# Allegro board pc051c_toplevel_209edited.brd (continued)
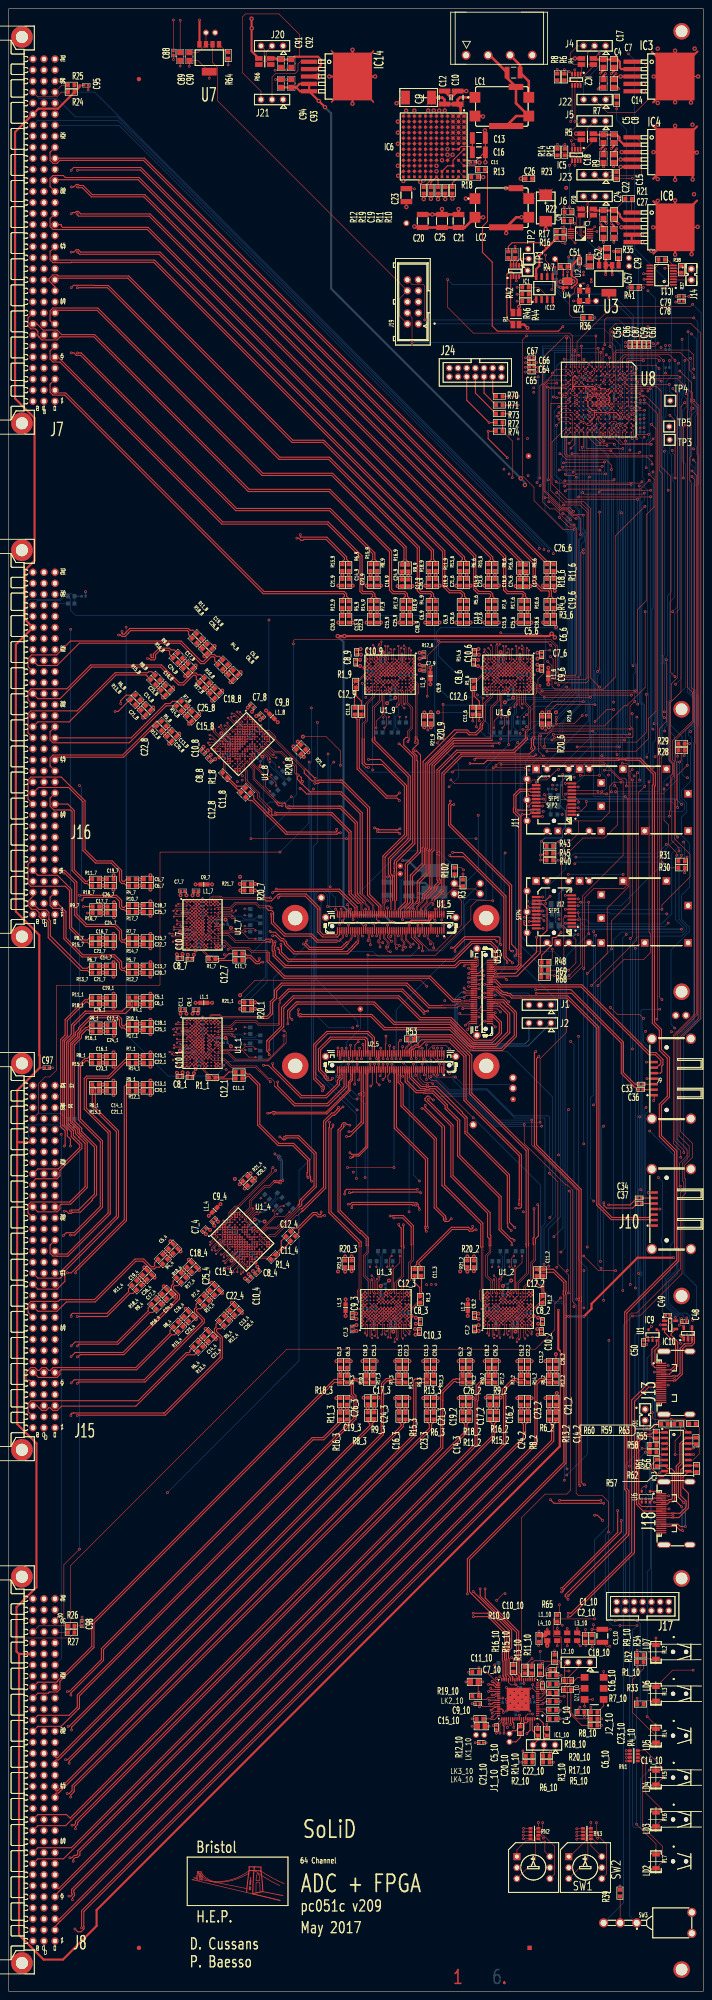
[diagram p0: board, top side]
## Routing (per net, layer and track width the routed paths; a pad name or vN(x,y) marks a point on that pad's centre or on a via; arc(x,y) is an arc through that point) (continued)
ANA_IN_N<63>: length 175.3
  TOP w0.25: R12_2.1 125.86,140.1 125.16,140.8 123.4,140.8 123.31,140.9 123.3,140.9 123.2,141 122.29,141 121.2,139.91 121.2,126.13 11.73,16.66 J8.C3
ANA_IN_P<0>: length 166.5
  TOP w0.25: R3_6.1 125.5,320.48 125,320.98 125,322.31 124.57,322.74 122.81,322.74 121.3,324.25 121.3,328.81 30.46,419.65 14.94,419.65 14.4,419.11 v1(14.4,419)
  L3 w0.25: J7.A23 6.72,420.62 11.88,420.62 13.5,419 v1(14.4,419)
ANA_IN_P<1>: length 155.1
  TOP w0.25: J7.C23 10.34,421.76 10.29,421.71 10.29,421.25 10.41,421.12 10.93,421.12 11.61,421.8 31.26,421.8 124,329.05 124.61,329.05 124.75,328.91 125.31,328.35 R11_6.1
ANA_IN_P<2>: length 159.6
  TOP w0.25: v1(14.4,415.18) 14.99,415.18 15.57,415.76 16.03,415.76 16.28,415.51 17.17,415.51 19.27,413.4 31.35,413.4 114.5,330.25 114.5,329.84 114.5,322.59 115.01,322.08 118.46,322.08 119,321.54 119,320.98 119.5,320.48 R10_6.1
  L3 w0.25: J7.A20 6.72,415.27 11.71,415.27 11.8,415.18 v1(14.4,415.18)
ANA_IN_P<3>: length 150.6
  TOP w0.25: R9_6.1 119.01,328.25 118.45,328.81 118.45,328.93 30.03,417.35 13.05,417.35 12.59,417.81 10.2,417.81 9.54,417.15 9.54,415.27 J7.C20
ANA_IN_P<4>: length 146.9
  TOP w0.25: v1(14.4,409) 14.68,409.28 15.29,409.28 15.57,409.56 16.03,409.56 16.62,408.97 32.57,408.97 111.5,330.04 111.5,329.48 112,328.98 R8_6.1
  L3 w0.25: v1(14.4,409) 14.4,409.94 14.15,410.19 5.12,410.19 4.46,409.53 4.46,407.65 J7.A17
ANA_IN_P<5>: length 142.6
  TOP w0.25: J7.C17 12.1,406.52 12.15,406.47 12.15,406.13 12.4,405.88 32.12,405.88 107.61,330.39 107.61,322.8 108.31,322.1 110.94,322.1 111.5,321.54 111.5,320.98 112,320.48 R7_6.1
ANA_IN_P<6>: length 131.4
  TOP w0.25: R6_6.1 105.5,328.98 105,329.48 105,330.04 34.85,400.19 16.6,400.19 16.03,400.76 15.57,400.76 15,400.19 v1(14.4,400.19)
  L3 w0.25: J7.A14 6.88,400.19 v1(14.4,400.19)
ANA_IN_P<7>: length 132.9
  TOP w0.25: J7.C14 11.22,398.35 33.6,398.35 100.46,331.49 100.46,323.55 101.71,322.3 104.24,322.3 105,321.54 105,320.98 105.5,320.48 R5_6.1
ANA_IN_P<8>: length 130.8
  TOP w0.25: v1(14.4,392) 14.96,392.56 19.75,392.56 19.81,392.5 22.96,392.5 62.46,353 73.91,353 74.2,352.71 94.6,332.31 94.6,322.49 95.01,322.08 97.31,322.08 97.85,321.54 97.85,320.98 98.35,320.48 R3_9.1
  L3 w0.25: J7.A11 6.72,390.14 11.14,390.14 12.1,391.1 13.5,391.1 v1(14.4,392)
ANA_IN_P<9>: length 122
  TOP w0.25: J7.C11 10.67,392.21 9.3,393.58 9.3,394.06 10.2,394.95 11.14,394.95 11.4,394.69 27.67,394.69 65.46,356.9 72.6,356.9 72.89,356.61 97.85,331.65 97.85,329.48 98.35,328.98 R11_9.1
ANA_IN_P<10>: length 119.1
  TOP w0.25: J7.A8 6.52,383.66 7.93,382.25 11.14,382.25 12.2,381.2 19.8,381.2 55.4,345.6 74.01,345.6 88.2,331.41 88.2,322.59 88.71,322.08 91.31,322.08 91.85,321.54 91.85,320.98 92.35,320.48 R10_9.1
ANA_IN_P<11>: length 113.1
  TOP w0.25: R9_9.1 92.05,328.88 91.55,329.38 91.55,332.36 74.61,349.3 58.55,349.3 20.52,387.33 10.2,387.33 9.54,386.67 9.54,384.41 10.29,383.66 J7.C8
ANA_IN_P<12>: length 102.1
  TOP w0.25: v1(15.8,377) 16.7,377 52.5,341.2 74.11,341.2 84.35,330.96 84.35,329.48 84.85,328.98 R8_9.1
  L3 w0.25: v1(15.8,377) 14.81,376.01 12.41,376.01 11.2,374.8 7.6,374.8 6.36,376.04 J7.A5
ANA_IN_P<13>: length 102.8
  TOP w0.25: R7_9.1 84.85,320.48 84.35,320.98 84.35,321.54 83.81,322.08 81.65,322.08 81.4,322.33 81.4,330.31 73.61,338.1 49.31,338.1 11.37,376.04 J7.C5
ANA_IN_P<14>: length 92.4
  TOP w0.25: R6_9.1 78.35,328.98 77.85,329.48 77.85,330.04 73.29,334.6 67.31,334.6 67.18,334.73 v1(67.18,335.18)
  L3 w0.25: v1(67.18,335.18) 37.22,335.18 9.55,362.85 9.55,365.39 9.54,365.41 9.54,366.37 8.85,367.05 7.35,367.05 5.98,368.42 J7.A2
ANA_IN_P<15>: length 88.7
  TOP w0.25: J7.C2 10.67,368.04 10.92,367.79 13.12,367.79 58.82,322.08 77.31,322.08 77.85,321.54 77.85,320.98 78.35,320.48 R5_9.1
ANA_IN_P<16>: length 53.1
  TOP w0.25: J16.A23 4.46,304.8 4.46,306.67 5.29,307.5 11.04,307.5 14.24,310.7 39.7,310.7 44.4,306 44.86,306 46.43,307.57 47.42,307.57 47.82,307.17 48.53,307.17 R3_8.1
ANA_IN_P<17>: length 41.5
  TOP w0.25: v1(26.11,312.91) 26.11,312.45 26.28,312.27 26.64,312.27 27.05,312.68 27.05,312.75 27.87,313.58 41.41,313.58 41.81,313.18 42.52,313.18 R11_8.1
  L3 w0.25: J16.C23 9.54,304.8 9.54,306.67 10.2,307.33 11.1,307.33 16.67,312.91 v1(26.11,312.91)
ANA_IN_P<18>: length 49.8
  TOP w0.25: R10_8.1 44.28,302.93 43.58,302.93 43.18,303.33 42.33,303.33 40.1,301.1 39.31,301.1 35.21,305.2 18.89,305.2 13.41,299.71 5.12,299.71 4.46,299.05 4.46,297.18 J16.A20
ANA_IN_P<19>: length 38.8
  TOP w0.25: v1(32.78,307.48) 32.78,307.03 32.96,306.85 33.29,306.85 33.34,306.9 33.34,307.75 34.65,309.05 37.03,309.05 37.42,308.66 38.13,308.66 R9_8.1
  L3 w0.25: J16.C20 9.54,297.18 9.54,299.05 10.2,299.71 11.1,299.71 18.86,307.48 v1(32.78,307.48)
ANA_IN_P<20>: length 39.7
  TOP w0.25: J16.A17 4.46,289.56 4.46,293.97 5.12,294.63 15.77,294.63 24.53,303.4 32.03,303.4 32.26,303.64 32.97,303.64 R8_8.1
ANA_IN_P<21>: length 32.6
  TOP w0.25: R7_8.1 37.73,296.83 37.2,296.3 36.09,296.3 28.21,288.42 J16.C17
ANA_IN_P<22>: length 34.6
  TOP w0.25: v1(25.8,296.3) 25.8,297 27.04,298.24 R6_8.1
  L3 w0.25: v1(25.8,296.3) 25.5,295.88 25.5,295.46 25.79,295.25 25.93,295.1 25.93,292.23 16.9,283.2 12.5,283.2 11.51,282.2 5.95,282.2 5.84,282.09 5.84,281.82 5.59,281.57 J16.A14
ANA_IN_P<23>: length 32.6
  TOP w0.25: J16.C14 9.54,281.94 9.54,283.81 10.2,284.48 26.27,284.48 34.03,292.23 R5_8.1
ANA_IN_P<24>: length 47.6
  TOP w0.25: R3_7.1 27.12,255.9 26.62,255.4 26.27,255.4 26.02,255.65 26.02,257.91 23.82,260.1 20.21,260.1 17.6,262.71 17.6,273.91 12.11,279.4 5.12,279.4 4.46,278.73 4.46,274.31 J16.A11
ANA_IN_P<25>: length 24.1
  TOP w0.25: R11_7.1 18.62,255.9 18.12,255.4 17.77,255.4 15.1,258.07 15.1,271.71 13.63,273.18 J16.C11
ANA_IN_P<26>: length 33.4
  TOP w0.25: R10_7.1 27.12,249.9 26.62,249.4 26.27,249.4 26.02,249.65 26.02,251.01 24.82,252.2 v1(16.3,252.2)
  L3 w0.25: J16.A8 6.72,264.43 6.72,262.82 7.66,261.88 11.12,261.88 16.3,256.7 v1(16.3,252.2)
ANA_IN_P<27>: length 23.5
  TOP w0.25: v1(17.2,249.6) R9_7.1
  L3 w0.25: J16.C8 10.67,266.33 10.92,266.58 11.27,266.58 15.8,262.05 15.8,260.99 17.6,259.19 17.6,249.85 17.35,249.6 v1(17.2,249.6)
ANA_IN_P<28>: length 25.6
  TOP w0.25: R8_7.1 18.62,242.4 18.12,241.9 17.41,241.9 14.5,244.81 14.5,253.51 11.2,256.81 6.72,256.81 J16.A5
ANA_IN_P<29>: length 29.4
  TOP w0.25: J16.C5 12.77,257.94 12.86,257.85 13.05,257.85 15.7,255.2 15.7,247.81 18.01,245.5 24.61,245.5 26,244.11 26,242.17 26.27,241.9 26.62,241.9 27.12,242.4 R7_7.1
ANA_IN_P<30>: length 23
  TOP w0.25: J16.A2 7,248.91 8.6,248.91 9.27,248.25 9.27,246.65 9.6,246.31 9.6,242.85 17.05,235.4 18.12,235.4 18.62,235.9 R6_7.1
ANA_IN_P<31>: length 27.7
  TOP w0.25: J16.C2 11.29,250.32 13.2,248.41 13.2,242.41 17.11,238.5 24.41,238.5 26.02,236.89 26.02,235.65 26.27,235.4 26.62,235.4 27.12,235.9 R5_7.1
ANA_IN_P<32>: length 64
  TOP w0.25: R3_1.1 28.45,227.95 28.45,226.54 26.95,225.04 17.84,225.04 15.2,222.4 15,222.2 15,220.1 13.34,218.44 13.34,199.58 14.91,198.01 14.91,196.89 15.2,196.59 16.86,194.94 16.86,193.95 11.8,188.9 11.8,187.63 11.14,186.97 6.22,186.97 5.59,186.33 J15.A23
ANA_IN_P<33>: length 49.5
  TOP w0.25: R11_1.1 18.62,228.65 18.12,228.15 17.56,228.15 13,223.59 13,220.05 11.96,219.01 11.96,199.01 13,197.97 13,194.68 v1(12.82,194.5)
  L3 w0.25: v1(12.82,194.5) 12.82,191.18 10.87,189.24 10.2,189.24 9.54,188.57 9.54,186.69 J15.C23
ANA_IN_P<34>: length 72.3
  TOP w0.25: R10_1.1 27.12,222.65 26.62,222.15 26.27,222.15 26.02,222.4 26.02,223.76 25.27,224.51 18.92,224.51 16.1,221.69 16.1,221.37 15.38,220.65 15.38,219.94 13.72,218.28 13.72,199.74 15.41,198.04 15.41,197.34 16.1,196.65 16.1,196.6 16.22,196.48 17.6,195.1 17.6,185.15 14.06,181.62 5.12,181.62 4.46,180.95 4.46,179.07 J15.A20
ANA_IN_P<35>: length 55
  TOP w0.25: R9_1.1 18.72,222.35 18.14,221.77 17.74,221.77 16.26,220.28 16.26,219.58 14.6,217.92 14.6,200.1 16.32,198.38 16.32,197.67 19.75,194.24 19.75,183.45 16.08,179.78 14.5,179.78 14.28,179.56 v1(14.2,179.56)
  L3 w0.25: v1(14.2,179.56) 14.16,179.56 12.54,177.94 J15.C20
ANA_IN_P<36>: length 61.9
  TOP w0.25: v1(12.6,173.9) 13.26,174.56 15.05,174.56 21.1,180.61 21.1,195.49 16.05,200.54 16.05,213.14 17.56,214.65 18.12,214.65 18.62,215.15 R8_1.1
  L3 w0.25: v1(12.6,173.9) 12.51,174 5.12,174 4.46,173.33 4.46,171.46 J15.A17
ANA_IN_P<37>: length 62.1
  TOP w0.25: J15.C17 11.34,169.65 13.45,169.65 22.9,179.1 22.9,197.5 17.4,203 17.4,210.06 17.94,210.6 23,210.6 27.55,215.15 R7_1.1
ANA_IN_P<38>: length 61.5
  TOP w0.25: J15.A14 6.72,161.56 11.14,161.56 12.94,163.37 12.94,165.74 23.5,176.3 23.5,176.39 25.01,177.9 25.3,178.19 25.3,198.01 19.95,203.36 19.95,207.95 R6_1.1
ANA_IN_P<39>: length 61.1
  TOP w0.25: R5_1.1 27.12,208.65 26.62,208.15 26.62,177.52 14.43,165.33 v1(13.5,165.33)
  L3 w0.25: J15.C14 15.05,162.7 16.64,164.29 16.64,164.75 15.96,165.43 15.96,165.53 15.63,165.86 15.17,165.86 14.64,165.33 v1(13.5,165.33)
ANA_IN_P<40>: length 39.6
  TOP w0.25: R3_4.1 33.63,167.68 33.63,166.97 33.38,166.72 32.89,166.72 31.11,168.5 29.09,168.5 19.75,159.15 11.8,159.15 11.41,158.75 5.12,158.75 4.46,158.09 4.46,156.22 J15.A11
ANA_IN_P<41>: length 21.6
  TOP w0.25: R11_4.1 27.62,161.67 27.62,160.96 22.66,156 14.65,156 14.4,155.75 v1(14.4,155.3)
  L3 w0.25: v1(14.4,155.3) 14.31,155.39 10.98,155.39 J15.C11
ANA_IN_P<42>: length 45.2
  TOP w0.25: v1(14.36,146.04) 15.32,147 26.33,147 38.85,159.52 38.85,160.11 37.47,161.48 37.47,162.33 37.87,162.73 37.87,163.43 R10_4.1
  L3 w0.25: J15.A8 6.97,146.08 14.32,146.08 v1(14.36,146.04)
ANA_IN_P<43>: length 27.1
  TOP w0.25: v1(14.4,148.5) 15.3,149.4 24.97,149.4 32.14,156.57 32.14,157.28 R9_4.1
  L3 w0.25: v1(14.4,148.5) 14.4,148.5 13.35,147.46 J15.C8
ANA_IN_P<44>: length 43.7
  TOP w0.25: R8_4.1 37.16,152.12 37.16,151.41 29.26,143.51 10.2,143.51 9.53,142.85 9.27,142.85 8.6,143.51 7.66,143.51 7,142.85 6.72,142.85 6.06,143.51 5.12,143.51 3.98,142.38 3.98,140.65 4.03,140.6 4.88,140.6 5.13,140.35 5.13,139.98 5.27,139.84 J15.A5
ANA_IN_P<45>: length 45.9
  TOP w0.25: R7_4.1 43.17,158.13 43.17,157.42 42.78,157.03 42.78,156.22 44.57,154.43 44.57,154.07 31.19,140.7 15.1,140.7 v1(14.4,140)
  L3 w0.25: v1(14.4,140) 10.83,140 J15.C5
ANA_IN_P<46>: length 47.2
  TOP w0.25: R6_4.1 41.76,147.52 41.76,147.21 41.51,146.96 40.91,146.96 29.84,135.9 5.12,135.9 4.46,135.23 4.46,133.35 J15.A2
ANA_IN_P<47>: length 53.3
  TOP w0.25: R5_4.1 47.77,153.53 47.77,152.83 47.37,152.43 47.37,151.62 48.7,150.29 48.7,145.91 35.86,133.07 35.66,133.07 14.97,133.07 14.95,133.05 14.58,133.05 14.33,132.8 v1(14.33,132.49)
  L3 w0.25: J15.C2 14.06,132.22 v1(14.33,132.49)
ANA_IN_P<48>: length 105.2
  TOP w0.25: R3_3.1 75.01,140.1 19.65,84.74 19.65,79.15 19.36,78.86 11.8,71.31 11.8,69.53 11.14,68.86 9.37,68.86 9.1,68.59 6.72,68.59 J8.A23
ANA_IN_P<49>: length 93.9
  TOP w0.25: R11_3.1 76.4,131.41 72.39,127.4 70.31,127.4 69.9,127.4 21.35,78.85 21.35,76.35 13.98,68.98 v1(13.52,68.98)
  L3 w0.25: J8.C23 12.19,68.98 v1(13.52,68.98)
ANA_IN_P<50>: length 117.9
  TOP w0.25: J8.A20 6.72,60.98 12.08,60.98 16.01,64.9 16.3,65.19 16.3,67.98 80.01,131.69 80.01,132.11 80.01,132.11 80.01,137 79.4,137.61 79.4,140.24 79.71,140.55 79.98,140.55 80.06,140.47 80.3,140.4 80.6,140.1 R10_3.1
ANA_IN_P<51>: length 103.4
  TOP w0.25: R9_3.1 82.7,131.07 83.2,130.57 83.2,130.22 13.91,60.93 v1(13.67,60.93)
  L3 w0.25: J8.C20 11.76,60.93 v1(13.67,60.93)
ANA_IN_P<52>: length 118.8
  TOP w0.25: R8_3.1 89.9,130.97 90.4,130.47 90.4,130.12 13.57,53.29 v1(13.11,53.29)
  L3 w0.25: v1(13.11,53.29) 11.8,53.29 11.74,53.35 6.72,53.35 J8.A17
ANA_IN_P<53>: length 123.2
  TOP w0.25: R7_3.1 88.1,140.1 87.8,140.4 87.65,140.4 87.55,140.5 87.2,140.5 86.36,139.66 86.36,136.1 86.3,136.04 86.3,128.06 11.48,53.24 10.92,53.24 10.67,52.99 J8.C17
ANA_IN_P<54>: length 129.6
  TOP w0.25: v1(13.47,45.5) 13.93,45.5 14.6,46.17 14.6,47.3 96.9,129.6 96.9,130.47 96.4,130.97 R6_3.1
  L3 w0.25: J8.A14 6.72,45.73 11.57,45.73 11.8,45.5 v1(13.47,45.5)
ANA_IN_P<55>: length 132.8
  TOP w0.25: R5_3.1 93.85,140.1 93.8,140.05 93.8,127.94 11.48,45.62 10.92,45.62 10.67,45.37 J8.C14
ANA_IN_P<56>: length 149.3
  TOP w0.25: J8.A11 6.72,38.12 13.12,38.12 100,125 100,135.99 100.01,136 100.01,137.71 102.62,140.32 102.98,140.32 103.2,140.1 R3_2.1
ANA_IN_P<57>: length 135.7
  TOP w0.25: R11_2.1 104.55,130.97 105.05,130.47 105.05,128.75 15.38,39.08 15.38,38.58 15.03,38.23 v1(14.57,38.23)
  L3 w0.25: v1(14.57,38.23) 11.92,38.23 J8.C11
ANA_IN_P<58>: length 158.5
  TOP w0.25: R10_2.1 110.45,140 109,140 108.16,139.16 108.16,136 107.91,135.75 107.91,125.78 12.62,30.5 6.72,30.5 J8.A8
ANA_IN_P<59>: length 146
  TOP w0.25: R9_2.1 110.85,131.07 111.35,130.57 111.35,127.75 15.9,32.3 15.9,31.55 15.65,31.3 15.1,31.3 14.53,30.73 v1(14.07,30.73)
  L3 w0.25: J8.C8 12.04,30.73 v1(14.07,30.73)
ANA_IN_P<60>: length 163
  TOP w0.25: v1(13.87,21.9) 14.33,21.9 14.68,22.25 14.68,22.32 14.5,22.5 14.5,23.46 118.55,127.51 118.55,130.47 118.05,130.97 R8_2.1
  L3 w0.25: v1(13.87,21.9) 12.43,21.9 11.14,20.61 6.72,20.61 J8.A5
ANA_IN_P<61>: length 164.6
  TOP w0.25: R7_2.1 117.2,140.1 116.78,140.52 116.42,140.52 114.2,138.3 114.2,137.41 114.51,137.1 114.51,125.91 10.67,22.07 J8.C5
ANA_IN_P<62>: length 174.4
  TOP w0.25: v1(16.8,14.6) 16.8,18.56 125.05,126.81 125.05,130.47 124.55,130.97 R6_2.1
  L3 w0.25: J8.A2 6.72,12.98 11.14,12.98 11.38,13.23 12.53,13.23 13.14,13.84 14.97,13.84 15.03,13.78 15.49,13.78 16.31,14.6 v1(16.8,14.6)
ANA_IN_P<63>: length 175
  TOP w0.25: R5_2.1 123.4,140.1 123.1,140.4 122.95,140.4 122.85,140.5 122.5,140.5 121.7,139.7 121.7,125.92 11.94,16.16 11.81,16.16 11.56,15.91 11.56,15.78 11.41,15.63 10.67,14.89 J8.C2
BUS_SELECT<0>: length 208.5
  TOP w0.13: U1_5.86 79.33,247.72 v1(79.33,246.62) ; v1(150.85,375.2) 149.75,376.3 142.15,376.3 141.4,375.55 U8.C1 ; v1(150.47,259.82) 150.3,260 150.3,283.95 v1(151.1,284.75)
  L4 w0.13: v1(130.4,259.45) 109.13,259.45 105.81,256.13 105.81,252.81 100.36,247.36 80.08,247.36 v1(79.33,246.62)
  BOTTOM w0.13: v1(151.1,284.75) 151.77,285.42 151.77,287.03 150.52,288.28 150.52,305.6 150.5,305.62 150.5,307.32 150.52,307.34 150.52,362.19 150.79,362.46 150.79,370.29 150.8,370.29 150.8,370.71 150.79,370.71 150.79,375.14 v1(150.85,375.2) ; v1(150.47,259.82) 130.77,259.82 v1(130.4,259.45)
BUS_SELECT<1>: length 196.7
  TOP w0.13: v1(149.86,375.21) 149.3,375.77 142.45,375.77 142.4,375.72 U8.B1 ; v1(103.9,225) 104.2,224.7 U3_5.52 ; v1(144.84,280.4) 144.55,280.1 144.55,241.75 v1(134.25,231.46)
  L4 w0.13: v1(144.84,280.4) 145.2,280.4 v1(148.9,284.1) ; v1(103.9,225) 110.91,225 117.37,231.46 v1(134.25,231.46)
  BOTTOM w0.13: v1(149.86,375.21) 149.2,374.55 149.2,292.2 149.41,291.98 149.41,284.62 v1(148.9,284.1)
BUS_SELECT<2>: length 199.4
  TOP w0.13: U3_5.54 v1(108.34,224.2) ; v1(149.8,373.4) 149.03,374.17 144.22,374.17 143.86,373.81 143.86,373.21 U8.A2
  L4 w0.13: v1(139.78,276.03) 139.78,224.33 139.65,224.2 v1(108.34,224.2)
  BOTTOM w0.13: v1(149.8,373.4) 149.8,276.16 149.67,276.03 v1(139.78,276.03)
BUS_SELECT<3>: length 210.7
  TOP w0.13: v1(77.83,242.92) 77.83,244.01 U1_5.91 ; v1(154.62,371.4) 154.27,371.75 U8.A3
  L4 w0.13: v1(77.83,242.92) 78.54,243.62 117.37,243.62 119.29,245.54 123.34,245.54 124.14,246.34 124.14,249.86 v1(123.7,250.3) ; v1(151.49,263.9) 151.49,277.44 v1(151.65,277.6)
  BOTTOM w0.13: v1(154.62,371.4) 154.62,367.09 154.46,366.93 154.46,318.01 153.4,316.95 153.4,303.65 152.45,302.7 152.45,296.97 152.09,296.61 152.09,291.34 152.29,291.14 152.29,289.86 153.4,288.75 153.4,279.35 v1(151.65,277.6) ; v1(123.7,250.3) 123.7,253.72 128.2,258.21 128.2,259.75 130.31,261.86 149.45,261.86 v1(151.49,263.9)
BUS_SELECT<4>: length 183.2
  TOP w0.13: v1(123.71,290.21) 123.71,295.21 125.24,296.75 v1(132.37,296.75) ; U1_5.100 75.75,248.55 v1(75.3,249) ; U8.B9 141.9,365.25 v1(138.85,365.25)
  L4 w0.13: v1(123.71,290.21) 123.66,290.17 121.72,290.17 116.27,284.72 v1(73.56,284.72) ; v1(138.85,365.25) 138.35,365.75 134.54,365.75 133.24,364.45 133.24,352.99 133.01,352.76 133.01,346.26 133.36,345.91 133.36,340.62 133.55,340.43 133.55,332.13 132.39,330.97 v1(132.37,330.97)
  BOTTOM w0.13: v1(75.3,249) 75.3,251.57 73.56,253.31 v1(73.56,284.72) ; v1(132.37,330.97) v1(132.37,296.75)
BUSY_3V3: length 128.9
  TOP w0.13: v1(148.05,153) 148.05,152.93 U1.5 ; v1(93.9,214.62) 93.75,214.77 U2_5.28
  L4 w0.13: v1(148.05,153) 148.05,155.25 152.5,159.7 152.5,171.05 156.12,174.67 156.12,185.23 155.45,185.9 151.26,185.9 150.71,186.45 v1(94.6,186.45)
  BOTTOM w0.13: v1(94.6,186.45) 93.25,187.8 93.25,210.96 93.9,211.6 v1(93.9,214.62)
BUSY_OUT_N: length 8.5
  TOP w0.25: J13.3 148.88,143.5 148.78,143.61 148.74,143.61 148.15,144.2 148.15,147.7 149.24,148.79 U1.3
BUSY_OUT_P: length 9.7
  TOP w0.25: U1.4 149.5,152.24 149.75,151.99 149.75,148.43 148.85,147.53 148.85,144.93 149.28,144.5 J13.1
CLK9_N_10: length 12.7
  TOP w0.25: LK3_10.1 116.01,59.96 116.81,59.96 117.8,60.95 R14_10.1 117.85,61.8 118.1,62.05 IC1_10.58 ; IC1_10.62 120.1,60.05 v1(119.35,59.3)
  L3 w0.25: LK3_10.1 v1(119.35,59.3)
CLK9_P_10: length 9.3
  TOP w0.25: 118.75,61.8 118.75,60.3 117.9,59.45 R14_10.2 117.85,58.4 116.85,57.4 LK4_10.1 ; 118.75,61.8 119.31,61.8 119.6,62.09 IC1_10.61 ; 118.75,61.8 118.75,61.94 118.6,62.09 IC1_10.59
CLK40_IN_N: length 95.6
  TOP w0.25: J13.12 147.4,139 144.15,135.75 144.15,100.94 129.41,86.2 v1(128.85,86.2) ; C20_10.2 v1(123.95,61.4)
  L3 w0.25: v1(123.95,61.4) 125.21,62.66 125.21,73.5 125.25,73.54 125.25,74.46 125.21,74.5 125.21,74.59 125.2,74.6 125.2,75.1 125.21,75.11 125.21,76.74 125,76.95 125,78.96 125.11,79.06 125.11,83.79 123.81,85.09 123.81,85.7 124.31,86.2 v1(128.85,86.2)
CLK40_IN_P: length 98
  TOP w0.25: v1(128.85,87) 129.5,87 143.5,101 143.5,136.05 147.45,140 J13.10 ; C22_10.2 v1(121.85,61.4)
  L3 w0.25: v1(121.85,61.4) 122.95,62.5 124.05,62.5 124.71,63.16 124.71,73.71 124.75,73.75 124.75,74.25 124.71,74.29 124.71,74.38 124.7,74.39 124.7,75.31 124.71,75.32 124.71,76.53 124.5,76.74 124.5,79.16 124.61,79.27 124.61,83.58 123.31,84.88 123.31,85.9 124.4,87 v1(128.85,87)
CLK+_1: length 10.3
  TOP w0.13: 48.3,209.64 48.16,209.5 47.04,209.5 46.9,209.64 46.9,209.8 46.27,210.42 ; 46.27,210.42 44.25,212.44 U1_1.P5 ; 46.27,210.42 R1_1.2
  TOP w0.25: 48.3,209.64 48.61,209.95 51.49,209.95 51.59,210.05 C11_1.2
CLK+_2: length 10.4
  TOP w0.13: 122.78,158.62 123.4,159.25 123.62,159.25 123.75,159.38 123.75,160.46 123.56,160.66 ; 122.78,158.62 R1_2.2 ; 122.78,158.62 120.76,156.6 U1_2.P5
  TOP w0.25: 123.56,160.66 123.25,160.96 123.25,163.84 123.15,163.94 C11_2.2
CLK+_3: length 10.3
  TOP w0.13: 95.41,160.66 95.56,160.51 95.56,159.39 95.41,159.25 95.25,159.25 94.63,158.62 ; 94.63,158.62 92.61,156.6 U1_3.P5 ; 94.63,158.62 R1_3.2
  TOP w0.25: C11_3.2 95,163.94 95.1,163.84 95.1,160.96 95.41,160.66
CLK+_4: length 10.3
  TOP w0.13: 60.41,168.68 61.29,168.68 61.4,168.57 61.61,168.57 62.4,169.36 62.4,169.57 ; 60.41,168.68 57.55,168.68 U1_4.P5 ; 60.41,168.68 60.41,168.6 R1_4.2
  TOP w0.25: 62.4,169.57 62.4,170 64.44,172.04 64.44,172.18 C11_4.2
CLK+_6: length 10.3
  TOP w0.13: 106.49,299.3 106.34,299.44 106.34,300.56 106.49,300.7 106.65,300.7 107.27,301.33 ; U1_6.P5 109.29,303.35 107.27,301.33 ; 107.27,301.33 R1_6.2
  TOP w0.25: C11_6.2 106.9,296 106.8,296.11 106.8,298.99 106.49,299.3
CLK+_7: length 10.3
  TOP w0.13: 48.3,236.89 48.16,236.75 47.04,236.75 46.9,236.89 46.9,237.05 46.27,237.67 ; U1_7.P5 44.25,239.69 46.27,237.67 ; 46.27,237.67 R1_7.2
  TOP w0.25: 48.3,236.89 48.61,237.2 51.49,237.2 51.59,237.3 C11_7.2
CLK+_8: length 10.5
  TOP w0.13: R1_8.2 49.4,280.5 49.53,280.5 ; U1_8.P5 49.53,283.25 49.53,282.93 49.52,282.91 49.52,280.7 49.53,280.68 49.53,280.5 ; 49.53,280.5 49.55,280.48 49.55,280.3 49.35,280.1 49.35,279.26 50.21,278.4 50.42,278.4
  TOP w0.25: C11_8.2 53.03,276.36 52.89,276.36 52.39,276.87 52.37,276.87 50.83,278.4 50.42,278.4
CLK+_9: length 10.3
  TOP w0.13: 80.12,301.33 79.5,300.7 79.34,300.7 79.19,300.56 79.19,299.44 79.34,299.3 ; 80.12,301.33 82.14,303.35 U1_9.P5 ; 80.12,301.33 R1_9.2
  TOP w0.25: C11_9.2 79.75,296 79.65,296.11 79.65,298.99 79.34,299.3
CLK-_1: length 9.7
  TOP w0.13: U1_1.P6 44.99,212.89 44.99,212.71 44.79,212.51 44.79,212.32 46.17,210.94 46.65,210.94 46.77,210.82 46.88,210.82 46.95,210.75 46.95,210.58 47.11,210.42 47.28,210.42 47.45,210.25 R1_1.1
  TOP w0.25: R1_1.1 48.01,210.25 48.13,210.37 49.57,210.37 50.75,211.55 C12_1.2
CLK-_2: length 9.7
  TOP w0.13: R1_2.1 122.95,159.8 122.78,159.63 122.78,159.46 122.62,159.31 122.45,159.31 122.38,159.23 122.38,159.12 122.25,159 122.25,158.52 120.88,157.14 120.69,157.14 120.49,157.34 120.31,157.34 U1_2.P6
  TOP w0.25: R1_2.1 122.95,160.36 122.83,160.48 122.83,161.92 121.65,163.1 C12_2.2
CLK-_3: length 9.7
  TOP w0.13: U1_3.P6 92.16,157.34 92.34,157.34 92.54,157.14 92.73,157.14 94.11,158.52 94.11,159 94.23,159.12 94.23,159.23 94.31,159.31 94.47,159.31 94.63,159.46 94.63,159.63 94.8,159.8 R1_3.1
  TOP w0.25: R1_3.1 94.8,160.36 94.68,160.48 94.68,161.92 93.5,163.1 C12_3.2
CLK-_4: length 9.7
  TOP w0.13: R1_4.1 61.37,169.39 61.12,169.39 61.01,169.28 60.78,169.28 60.67,169.39 60.56,169.39 60.49,169.32 60.31,169.32 59.97,168.98 58.02,168.98 57.89,169.11 57.89,169.39 57.76,169.52 U1_4.P6
  TOP w0.25: R1_4.1 61.76,169.79 61.76,169.96 62.78,170.98 62.78,172.65 C12_4.2
CLK-_6: length 9.7
  TOP w0.13: U1_6.P6 109.74,302.61 109.56,302.61 109.36,302.81 109.17,302.81 107.8,301.43 107.8,300.95 107.67,300.83 107.67,300.72 107.59,300.64 107.43,300.64 107.27,300.49 107.27,300.32 107.1,300.15 R1_6.1
  TOP w0.25: R1_6.1 107.1,299.59 107.22,299.47 107.22,298.03 108.4,296.85 C12_6.2
CLK-_7: length 9.7
  TOP w0.13: R1_7.1 47.45,237.5 47.28,237.67 47.11,237.67 46.95,237.83 46.95,238 46.88,238.07 46.77,238.07 46.65,238.19 46.17,238.19 44.79,239.57 44.79,239.76 44.99,239.96 44.99,240.14 U1_7.P6
  TOP w0.25: R1_7.1 48.01,237.5 48.13,237.62 49.57,237.62 50.75,238.8 C12_7.2
CLK-_8: length 9.7
  TOP w0.13: R1_8.1 50.05,279.63 50.05,280.05 50.11,280.11 50.11,280.3 50.16,280.34 50.16,280.5 50.11,280.55 50.11,280.55 49.83,280.83 49.83,282.78 49.96,282.91 50.24,282.91 50.37,283.04 U1_8.P6
  TOP w0.25: R1_8.1 50.64,279.04 50.81,279.04 52.55,277.3 54.22,277.3 C12_8.2
CLK-_9: length 9.7
  TOP w0.13: R1_9.1 79.95,300.15 80.12,300.32 80.12,300.49 80.28,300.64 80.44,300.64 80.52,300.72 80.52,300.83 80.64,300.95 80.64,301.43 82.02,302.81 82.21,302.81 82.41,302.61 82.59,302.61 U1_9.P6
  TOP w0.25: R1_9.1 79.95,299.59 80.07,299.47 80.07,298.03 81.25,296.85 C12_9.2
CLK_CPLD_TTL: length 32.9
  TOP w0.13: QZ1.3 LK16.1 ; U8.P5 130.4,369.8 v1(130.85,370.25)
  L4 w0.25: v1(130.85,370.25) 130.6,370.25 130.05,370.8 130.05,371.34 130.62,371.91 130.62,372.95 130,373.57 127.53,373.57 126.26,374.84 126.26,386.59 128.05,388.38 134.73,388.38 LK16.1
CLK_GEN_INTR_3V3*: length 29.3
  TOP w0.13: R65.1 126.85,87.05 v1(126.85,88.95)
  TOP w0.17: v1(120.7,70.55) 120.7,69.65 121.4,68.95 IC1_10.12
  L3 w0.17: v1(122.43,78.22) 122.43,78.43 122.8,78.8 122.8,83.28 122.35,83.73 122.35,86.5 124.8,88.95 v1(126.85,88.95)
  BOTTOM w0.17: v1(120.7,70.55) 121.53,69.72 121.77,69.72 122.43,70.38 v1(122.43,78.22)
CLK_GEN_LOL*: length 206.9
  TOP w0.13: U2_5.24 94.75,214.46 94.3,214.01 91.36,214.01 v1(90.95,213.6) ; v1(114.35,91.5) 113.95,91.5 v1(112.4,89.95)
  TOP w0.17: v1(111.35,63.1) 112.2,63.95 IC1_10.47
  L3 w0.13: v1(118.55,179.35) 124.2,179.35 133.18,170.37 133.18,169.44 133.05,169.31 133.05,166.58 133.18,166.5 133.18,114.33 133.15,114.3 133.15,111.8 114.35,93 v1(114.35,91.5)
  L3 w0.17: v1(111.35,63.1) 109.7,64.75 109.7,70.98 109.71,70.99 109.71,71.41 109.7,71.42 109.7,76.8 113.02,80.11 113.84,80.11 113.89,80.16 113.89,80.98 114.25,81.35 114.25,88.1 v1(112.4,89.95)
  L4 w0.13: v1(92.23,179.35) v1(118.55,179.35)
  BOTTOM w0.13: v1(90.95,213.6) 92.23,212.32 v1(92.23,179.35)
CLK_GEN_RST_3V3*: length 197.7
  TOP w0.13: 123.05,66.2 v1(123.05,66.25) ; v1(132.45,169.2) 135.82,165.83 v1(139.78,165.83) ; v1(96.27,214.04) 95.55,214.04 95.25,214.34 U2_5.22
  TOP w0.17: IC1_10.6 122.75,65.95 123,66.2 123.25,66.2 123.75,66.7 R9_10.1
  L3 w0.13: v1(132.45,169.2) 132.45,170.25 v1(124.65,178.05) ; v1(139.78,165.83) 139.78,99.88 127.8,87.9 124.7,87.9 122.9,86.1 122.9,84.75 123.4,84.25 123.4,77.1 123.65,76.85 123.65,66.85 v1(123.05,66.25)
  BOTTOM w0.13: v1(124.65,178.05) 125.28,178.68 125.28,205.78 114.84,216.22 98.45,216.22 v1(96.27,214.04)
CLK_GEN_SCL_1V8: length 399.6
  TOP w0.13: v1(134.95,85.69) 125.56,85.69 125.43,85.56 125.43,81.8 125.53,81.7 126.97,81.7 127.27,81.4 127.27,75.8 126.67,75.2 124.55,75.2 123.65,74.3 123.65,72.7 ; U8.J3 134.8,371.15 134.8,370.59 134.56,370.35 133.24,370.35 132.9,370.69 132.9,370.81 132.56,371.15 132.44,371.15 132,371.59 132,372.15 131.8,372.35 131.24,372.35 131,372.59 131,373.15 130.85,373.3 130.85,376.66 130.9,376.71 130.9,379.57 139.03,387.7 157.05,387.7 v1(157.55,388.2)
  TOP w0.17: IC1_10.16 121.85,71.1 123.45,72.7 R11_10.1
  L4 w0.13: v1(157.55,154.4) 152.94,149.79 v1(138.25,149.79)
  BOTTOM w0.13: v1(134.95,85.69) 134.95,103.9 138.25,107.2 v1(138.25,149.79) ; v1(157.55,388.2) 159.49,386.26 159.49,223.79 155.5,219.8 155.5,194.23 156.47,193.26 156.47,192.84 156.35,192.72 156.35,191.35 155.55,190.55 155.55,185.27 155.7,185.13 155.7,184.71 155.55,184.57 155.55,165.15 158.4,162.3 158.4,155.25 v1(157.55,154.4)